# Altium PCB top_LM_v3.PcbDoc (part 4 of 6)
Units mil, origin at the board's own origin, x right, y up, seen from the top; angles counter-clockwise.
Board outline 10500 x 5830 mil, 2 copper layers (Top Layer, Bottom Layer); 771 components, 701 nets, 1994 pads, 493 vias.
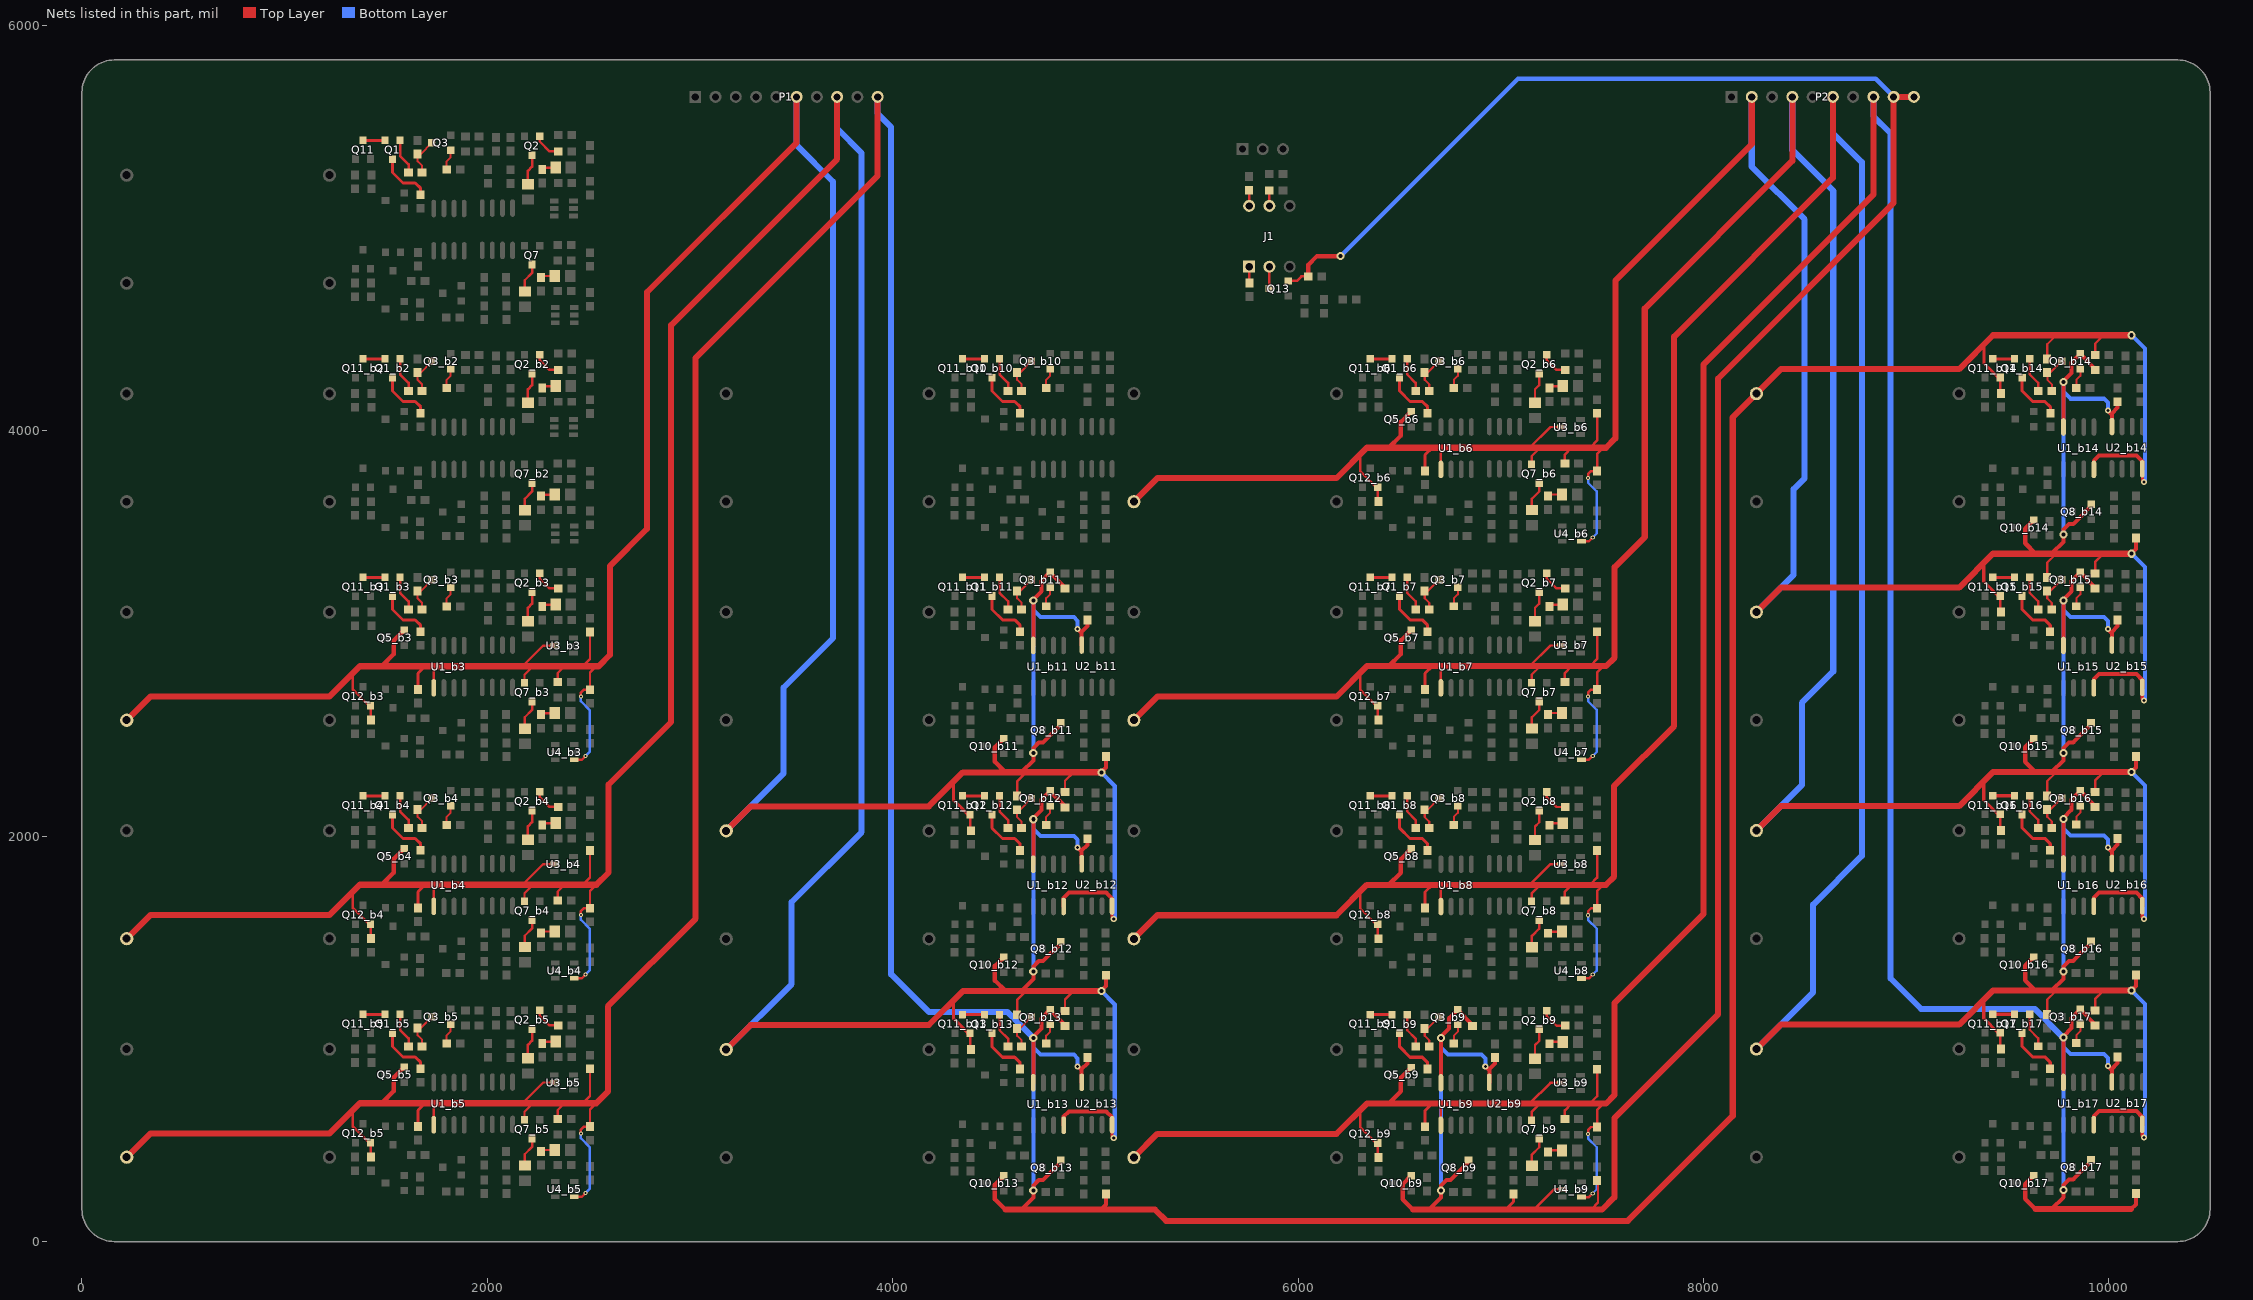
[diagram p4: the nets of this part, all layers, seen from the top]

## Via types
v1: diameter 20, hole 10, Top Layer to Bottom Layer, 402 vias
v2: diameter 40, hole 20, Top Layer to Bottom Layer, 53 vias
v3: diameter 30, hole 15, Top Layer to Bottom Layer, 34 vias
v4: diameter 125.98, hole 125.98, Top Layer to Bottom Layer, 4 vias

## Nets (pads, with @x,y where several pads share a name; then routed paths per layer and width w, separated by ;. In a path a pad name is that pad's centre, name@x,y a point inside that pad or via, vN(x,y) a via of type N, cw(c..) or ccw(c..) an arc to the next point about the centre after c; other vN are vias at no path point) (continued)
IN_A11: P1.6 Q3_b11.2 Q5_b3.2 Q7_b3.2 Q8_b11.2 Q10_b11.2 Q11_b12.2 Q12_b3.2 R1_b12.2 R6_b12.2 R9_b12.2 R12_b11.1 R13_b3.1 R14_b3.2 R19_b3.2 R20_b3.2 R21_b3.2 R40_b12.1 R42_b3.1 R44_b11.2 R48_b11.2 U1_b3.5 U1_b11.4 U1_b12.8 U2_b11.4 U2_b12.8 U3_b3.2 U4_b3.4 | length 17908.8
  Top Layer w12: 1336.82,2803.04 1336.82,2723.26 1416.08,2644 Q12_b3.2@1424.23,2644 1424.23,2575.32 R42_b3.1@1426.82,2572.72 ; U1_b3.5@1735.82,2731.77 1735.82,2816.54 1757.82,2838.54 ; 2170,2838.54 2173.86,2838.54 2276,2940.68 U3_b3.2@2330.76,2940.68 ; Q7_b3.2@2183.6,2756.94 2183.6,2796.44 2225.69,2838.54 ; 2205,2838.54 2209.86,2838.54 ; R20_b3.2@2347.54,2761.68 2347.54,2805.07 2381,2838.54 ; U4_b3.4@2429.24,2377.28 2466.6,2377.28 v1(2485,2395.68) ; v1(2462,2688.68) 2462,2708.68 2476.32,2723 R21_b3.2@2506.69,2723 2506.69,2807.54 2525.76,2826.6 ; 2473,2838.54 2473,2840.68 2506.69,2874.37 R13_b3.1@2506.69,3008.07 ; Q11_b12.2@4382.23,2106.32 4382.23,2031.64 R40_b12.1@4386.82,2027.05 ; R6_b12.2@4613.69,2197.79 4613.69,2270.11 4658.44,2314.86 ; R9_b12.2@4850.36,2217.58 4850.36,2273.39 4891.82,2314.86
  Top Layer w15: R19_b3.2@1657.69,2724 1657.69,2803.54 1692.69,2838.54 1696.69,2838.54 ; 4300.82,2264.11 4300.82,2178.14 Q11_b12.2@4372.64,2106.32 ; U2_b12.8@5082.82,1655.37 5082.82,1598.58 v3(5090.82,1590.58)
  Top Layer w20: Q11_b12.2@4372.64,2106.32 Q11_b12.2@4382.23,2106.32 ; 4637.69,2318.39 4693.82,2374.53 v2(4693.82,2410.58) 4693.82,2435.58 4720.82,2462.58 4742.27,2462.58 4830.08,2550.4 Q8_b11.2@4830.08,2559.98 ; 4657.69,2314.86 4658.62,2315.79 ; U1_b11.4@4693.82,2941.07 v2(4693.82,3162.58) 4693.82,3168.58 4733.82,3208.58 4733.82,3259.72 Q3_b11.2@4777.08,3302.98 4777.08,3300.23 4850.36,3226.96 R12_b11.1@4850.36,3221.58 ; U1_b12.8@4843.82,1653.09 4843.82,1695.58 4869.82,1721.58 5053.82,1721.58 5082.82,1692.58 U2_b12.8@5082.82,1655.37 ; v3(4912.82,3022.58) 4926.82,3008.58 4932.82,3008.58 ; U2_b11.4@4932.82,2943.34 4932.82,3008.58 ; R48_b11.2@4960.82,3066.12 4960.82,3036.58 4932.82,3008.58 ; v2@5027.82,2315.79 5051.82,2339.79 R44_b11.2@5051.82,2393.12
  Top Layer w22: 1478.69,2838.54 1538.69,2898.54 1538.69,2965.68 Q5_b3.2@1589.95,3016.94 ; Q10_b11.2@4547.95,2482.26 4504.69,2439 4504.69,2366.86 4555.76,2315.79
  Top Layer w30: R14_b3.2@220.82,2572.26 337.1,2688.54 1220.82,2688.54 1370.82,2838.54 1478.69,2838.54 1692.69,2838.54 ; 1696.69,2838.54 1757.82,2838.54 2170,2838.54 ; 2173.86,2838.54 2205,2838.54 ; 2209.86,2838.54 2225.69,2838.54 2381,2838.54 2473,2838.54 2549.36,2838.54 2605,2894.18 2605,3333 2788,3516 2788,4684 3526,5422 P1.6@3526,5648 ; R1_b12.2@3178.82,2026.58 3299.85,2147.61 4178.82,2147.61 4346.08,2314.86 4657.69,2314.86 4658.44,2314.86 4891.82,2314.86 v2(5029.69,2314.86) ; 4555.76,2315.79 4658.62,2315.79 v2@5027.82,2315.79
  Bottom Layer w12: v1(2462,2688.68) 2462,2665.68 2505,2622.68 2505,2415.68 v1(2485,2395.68)
  Bottom Layer w20: v2(4693.82,2410.58) 4693.82,3115.58 ; v2(4693.82,3162.58) 4693.82,3115.58 ; v3(4912.82,3022.58) 4912.82,3061.58 4893.82,3080.58 4728.82,3080.58 4693.82,3115.58 ; v2(5029.69,2314.86) 5095.82,2248.72 5095.82,1595.58 v3(5090.82,1590.58)
  Bottom Layer w30: R1_b12.2@3178.82,2026.58 3462.32,2310.08 3462.32,2733.82 3705.69,2977.19 3705.69,5229.19 3525.82,5409.06 P1.6@3525.82,5648.32
IN_A12: P1.8 Q3_b12.2 Q5_b4.2 Q7_b4.2 Q8_b12.2 Q10_b12.2 Q11_b13.2 Q12_b4.2 R1_b13.2 R6_b13.2 R9_b13.2 R12_b12.1 R13_b4.1 R14_b4.2 R19_b4.2 R20_b4.2 R21_b4.2 R40_b13.1 R42_b4.1 R44_b12.2 R48_b12.2 U1_b4.5 U1_b12.4 U1_b13.8 U2_b12.4 U2_b13.8 U3_b4.2 U4_b4.4 | length 20176.8
  Top Layer w12: 1336.82,1725.04 1336.82,1645.26 1416.08,1566 Q12_b4.2@1424.23,1566 1424.23,1497.32 R42_b4.1@1426.82,1494.72 ; U1_b4.5@1735.82,1653.77 1735.82,1738.54 1757.82,1760.54 ; 2170,1760.54 2173.86,1760.54 2276,1862.68 U3_b4.2@2330.76,1862.68 ; Q7_b4.2@2183.6,1678.94 2183.6,1718.44 2225.69,1760.54 ; 2205,1760.54 2209.86,1760.54 ; R20_b4.2@2347.54,1683.68 2347.54,1727.07 2381,1760.54 ; U4_b4.4@2429.24,1299.28 2466.6,1299.28 v1(2485,1317.68) ; v1(2462,1610.68) 2462,1630.68 2476.32,1645 R21_b4.2@2506.69,1645 2506.69,1729.54 2525.76,1748.6 ; 2473,1760.54 2473,1762.68 2506.69,1796.37 R13_b4.1@2506.69,1930.07 ; Q11_b13.2@4382.23,1027.32 4382.23,952.64 R40_b13.1@4386.82,948.05 ; R6_b13.2@4613.69,1118.79 4613.69,1191.11 4658.44,1235.86 ; R9_b13.2@4850.36,1138.58 4850.36,1194.39 4891.82,1235.86
  Top Layer w15: R19_b4.2@1657.69,1646 1657.69,1725.54 1692.69,1760.54 1696.69,1760.54 ; 4300.82,1185.11 4300.82,1099.14 Q11_b13.2@4372.64,1027.32 ; U2_b13.8@5082.82,576.37 5082.82,519.58 v3(5090.82,511.58)
  Top Layer w20: Q11_b13.2@4372.64,1027.32 Q11_b13.2@4382.23,1027.32 ; 4637.69,1239.39 4693.82,1295.53 v2(4693.82,1331.58) 4693.82,1356.58 4720.82,1383.58 4742.27,1383.58 4830.08,1471.4 Q8_b12.2@4830.08,1480.98 ; 4657.69,1235.86 4658.62,1236.79 ; U1_b12.4@4693.82,1862.07 v2(4693.82,2083.58) 4693.82,2089.58 4733.82,2129.58 4733.82,2180.72 Q3_b12.2@4777.08,2223.98 4777.08,2221.23 4850.36,2147.96 R12_b12.1@4850.36,2142.58 ; U1_b13.8@4843.82,574.09 4843.82,616.58 4869.82,642.58 5053.82,642.58 5082.82,613.58 U2_b13.8@5082.82,576.37 ; v3(4912.82,1943.58) 4926.82,1929.58 4932.82,1929.58 ; U2_b12.4@4932.82,1864.34 4932.82,1929.58 ; R48_b12.2@4960.82,1987.12 4960.82,1957.58 4932.82,1929.58 ; v2@5027.82,1236.79 5051.82,1260.79 R44_b12.2@5051.82,1314.12
  Top Layer w22: 1478.69,1760.54 1538.69,1820.54 1538.69,1887.68 Q5_b4.2@1589.95,1938.94 ; Q10_b12.2@4547.95,1403.26 4504.69,1360 4504.69,1287.86 4555.76,1236.79
  Top Layer w30: R14_b4.2@220.82,1494.26 337.1,1610.54 1220.82,1610.54 1370.82,1760.54 1478.69,1760.54 1692.69,1760.54 ; 1696.69,1760.54 1757.82,1760.54 2170,1760.54 ; 2173.86,1760.54 2205,1760.54 ; 2209.86,1760.54 2225.69,1760.54 2381,1760.54 2473,1760.54 2538.37,1760.54 2597.82,1819.99 2597.82,2254.32 2907,2563.5 2907,4521.97 3725.82,5340.79 P1.8@3725.82,5648.32 ; R1_b13.2@3178.82,947.58 3299.85,1068.61 4178.82,1068.61 4346.08,1235.86 4657.69,1235.86 4658.44,1235.86 4891.82,1235.86 v2(5029.69,1235.86) ; 4555.76,1236.79 4658.62,1236.79 v2@5027.82,1236.79
  Bottom Layer w12: v1(2462,1610.68) 2462,1587.68 2505,1544.68 2505,1337.68 v1(2485,1317.68)
  Bottom Layer w20: v2(4693.82,1331.58) 4693.82,2036.58 ; v2(4693.82,2083.58) 4693.82,2036.58 ; v3(4912.82,1943.58) 4912.82,1982.58 4893.82,2001.58 4728.82,2001.58 4693.82,2036.58 ; v2(5029.69,1235.86) 5095.82,1169.72 5095.82,516.58 v3(5090.82,511.58)
  Bottom Layer w30: R1_b13.2@3178.82,947.58 3501.82,1270.58 3501.82,1675.32 3847.11,2020.61 3847.11,5370.61 3725.82,5491.9 P1.8@3725.82,5648.32
IN_A13: P1.10 Q3_b13.2 Q5_b5.2 Q7_b5.2 Q8_b13.2 Q10_b13.2 Q11_b14.2 Q12_b5.2 R1_b14.2 R6_b14.2 R9_b14.2 R12_b13.1 R13_b5.1 R14_b5.2 R19_b5.2 R20_b5.2 R21_b5.2 R40_b14.1 R42_b5.1 R44_b13.2 R48_b13.2 U1_b5.5 U1_b13.4 U1_b14.8 U2_b13.4 U2_b14.8 U3_b5.2 U4_b5.4 | length 28463.8
  Top Layer w12: 1336.82,647.04 1336.82,567.26 1416.08,488 Q12_b5.2@1424.23,488 1424.23,419.32 R42_b5.1@1426.82,416.72 ; U1_b5.5@1735.82,575.77 1735.82,660.54 1757.82,682.54 ; 2170,682.54 2173.86,682.54 2276,784.68 U3_b5.2@2330.76,784.68 ; Q7_b5.2@2183.6,600.94 2183.6,640.44 2225.69,682.54 ; 2205,682.54 2209.86,682.54 ; R20_b5.2@2347.54,605.68 2347.54,649.07 2381,682.54 ; U4_b5.4@2429.24,221.28 2466.6,221.28 v1(2485,239.68) ; v1(2462,532.68) 2462,552.68 2476.32,567 R21_b5.2@2506.69,567 2506.69,651.54 2525.76,670.6 ; 2473,682.54 2473,684.68 2506.69,718.37 R13_b5.1@2506.69,852.07 ; Q11_b14.2@9465.23,4263.32 9465.23,4188.64 R40_b14.1@9469.82,4184.05 ; R6_b14.2@9696.69,4354.79 9696.69,4427.11 9741.44,4471.86 ; R9_b14.2@9933.36,4374.58 9933.36,4430.39 9974.82,4471.86
  Top Layer w15: R19_b5.2@1657.69,568 1657.69,647.54 1692.69,682.54 1696.69,682.54 ; 9383.82,4421.11 9383.82,4335.14 Q11_b14.2@9455.64,4263.32 ; U2_b14.8@10165.82,3812.37 10165.82,3755.58 v3(10173.82,3747.58)
  Top Layer w20: 4637.69,160.39 4693.82,216.53 v2(4693.82,252.58) 4693.82,277.58 4720.82,304.58 4742.27,304.58 4830.08,392.4 Q8_b13.2@4830.08,401.98 ; 4657.69,156.86 4658.62,157.79 ; U1_b13.4@4693.82,783.07 v2(4693.82,1004.58) 4693.82,1010.58 4733.82,1050.58 4733.82,1101.72 Q3_b13.2@4777.08,1144.98 4777.08,1142.23 4850.36,1068.96 R12_b13.1@4850.36,1063.58 ; v3(4912.82,864.58) 4926.82,850.58 4932.82,850.58 ; U2_b13.4@4932.82,785.34 4932.82,850.58 ; R48_b13.2@4960.82,908.12 4960.82,878.58 4932.82,850.58 ; 5027.82,157.79 5051.82,181.79 R44_b13.2@5051.82,235.12 ; Q11_b14.2@9455.64,4263.32 Q11_b14.2@9465.23,4263.32 ; U1_b14.8@9926.82,3810.09 9926.82,3852.58 9952.82,3878.58 10136.82,3878.58 10165.82,3849.58 U2_b14.8@10165.82,3812.37
  Top Layer w22: 1478.69,682.54 1538.69,742.54 1538.69,809.68 Q5_b5.2@1589.95,860.94 ; Q10_b13.2@4547.95,324.26 4504.69,281 4504.69,208.86 4555.76,157.79
  Top Layer w30: R14_b5.2@220.82,416.26 337.1,532.54 1220.82,532.54 1370.82,682.54 1478.69,682.54 1692.69,682.54 ; 1696.69,682.54 1757.82,682.54 2170,682.54 ; 2173.86,682.54 2205,682.54 ; 2209.86,682.54 2225.69,682.54 2381,682.54 2473,682.54 2537.37,682.54 2594.82,739.99 2594.82,1160.32 3028,1593.5 3028,4360.13 3925.82,5257.95 P1.10@3925.82,5648.32 ; 4555.76,157.79 4658.62,157.79 5027.82,157.79 5294.36,157.79 5349.82,102.32 7626.82,102.32 8145,620.5 8145,4066.76 R1_b14.2@8261.82,4183.58 8382.85,4304.61 9261.82,4304.61 9429.08,4471.86 9741.44,4471.86 9974.82,4471.86 v2(10112.69,4471.86)
  Bottom Layer w12: v1(2462,532.68) 2462,509.68 2505,466.68 2505,259.68 v1(2485,239.68)
  Bottom Layer w20: v2(4693.82,252.58) 4693.82,957.58 ; v2(4693.82,1004.58) 4693.82,957.58 ; v3(4912.82,864.58) 4912.82,903.58 4893.82,922.58 4728.82,922.58 4693.82,957.58 ; v2(10112.69,4471.86) 10178.82,4405.72 10178.82,3752.58 v3(10173.82,3747.58)
  Bottom Layer w30: P1.10@3925.82,5648.32 3925.82,5565.32 3992.82,5498.32 3992.82,1319 4178.82,1133 4565.4,1133 v2(4693.82,1004.58)
IN_A14: P2.2 Q3_b14.2 Q5_b6.2 Q7_b6.2 Q8_b14.2 Q10_b14.2 Q11_b15.2 Q12_b6.2 R1_b15.2 R6_b15.2 R9_b15.2 R12_b14.1 R13_b6.1 R14_b6.2 R19_b6.2 R20_b6.2 R21_b6.2 R40_b15.1 R42_b6.1 R44_b14.2 R48_b14.2 U1_b6.5 U1_b14.4 U1_b15.8 U2_b14.4 U2_b15.8 U3_b6.2 U4_b6.4 | length 15559.8
  Top Layer w12: 6306.08,3881.36 6306.08,3801.58 6385.34,3722.32 Q12_b6.2@6393.48,3722.32 6393.48,3653.64 R42_b6.1@6396.08,3651.05 ; U1_b6.5@6705.08,3810.09 6705.08,3894.86 6727.08,3916.86 ; 7139.25,3916.86 7143.11,3916.86 7245.25,4019 U3_b6.2@7300.01,4019 ; Q7_b6.2@7152.85,3835.26 7152.85,3874.76 7194.94,3916.86 ; 7174.25,3916.86 7179.11,3916.86 ; R20_b6.2@7316.79,3840 7316.79,3883.39 7350.25,3916.86 ; U4_b6.4@7398.5,3455.6 7435.85,3455.6 v1(7454.25,3474) ; v1(7431.25,3767) 7431.25,3787 7445.57,3801.32 R21_b6.2@7475.94,3801.32 7475.94,3885.86 7495.01,3904.92 ; 7442.25,3916.86 7442.25,3919 7475.94,3952.69 R13_b6.1@7475.94,4086.39 ; Q11_b15.2@9464.97,3185.32 9464.97,3110.64 R40_b15.1@9469.57,3106.05 ; R6_b15.2@9696.44,3276.79 9696.44,3349.11 9741.12,3393.79 9741.19,3393.86 ; R9_b15.2@9933.11,3296.58 9933.11,3352.39 9974.5,3393.79 9974.57,3393.86
  Top Layer w15: R19_b6.2@6626.94,3802.32 6626.94,3881.86 6661.94,3916.86 6665.94,3916.86 ; 9383.57,3343.11 9383.57,3257.14 Q11_b15.2@9455.39,3185.32 ; U2_b15.8@10165.57,2734.37 10165.57,2677.58 v3(10173.57,2669.58)
  Top Layer w20: Q11_b15.2@9455.39,3185.32 Q11_b15.2@9464.97,3185.32 ; 9720.69,3396.39 9776.82,3452.53 v2(9776.82,3488.58) 9776.82,3513.58 9803.82,3540.58 9825.27,3540.58 9913.08,3628.4 Q8_b14.2@9913.08,3637.98 ; 9740.69,3392.86 9741.62,3393.79 ; U1_b14.4@9776.82,4019.07 v2(9776.82,4240.58) 9776.82,4246.58 9816.82,4286.58 9816.82,4337.72 Q3_b14.2@9860.08,4380.98 9860.08,4378.23 9933.36,4304.96 R12_b14.1@9933.36,4299.58 ; U1_b15.8@9926.57,2732.09 9926.57,2774.58 9952.57,2800.58 10136.57,2800.58 10165.57,2771.58 U2_b15.8@10165.57,2734.37 ; v3(9995.82,4100.58) 10009.82,4086.58 10015.82,4086.58 ; U2_b14.4@10015.82,4021.34 10015.82,4086.58 ; R48_b14.2@10043.82,4144.12 10043.82,4114.58 10015.82,4086.58 ; v2@10110.82,3393.79 10110.89,3393.86 10134.82,3417.79 R44_b14.2@10134.82,3471.12
  Top Layer w22: 6447.94,3916.86 6507.94,3976.86 6507.94,4044 Q5_b6.2@6559.2,4095.26 ; Q10_b14.2@9630.95,3560.26 9587.69,3517 9587.69,3444.86 9638.69,3393.86 9638.76,3393.79
  Top Layer w30: R14_b6.2@5190.08,3650.58 5306.35,3766.86 6190.08,3766.86 6340.08,3916.86 6447.94,3916.86 6661.94,3916.86 ; 6665.94,3916.86 6727.08,3916.86 7139.25,3916.86 ; 7143.11,3916.86 7174.25,3916.86 ; 7179.11,3916.86 7194.94,3916.86 7350.25,3916.86 7442.25,3916.86 7519.61,3916.86 7566,3963.25 7566,4741.58 8239,5414.58 P2.2@8239,5648 ; R1_b15.2@8261.57,3105.58 8382.6,3226.61 9261.57,3226.61 9428.82,3393.86 9638.69,3393.86 9741.19,3393.86 9974.57,3393.86 10110.89,3393.86 v2(10112.44,3393.86) ; 9638.76,3393.79 9741.12,3393.79 9741.62,3393.79 9974.5,3393.79 v2@10110.82,3393.79
  Bottom Layer w12: v1(7431.25,3767) 7431.25,3744 7474.25,3701 7474.25,3494 v1(7454.25,3474)
  Bottom Layer w20: v2(9776.82,3488.58) 9776.82,4193.58 ; v2(9776.82,4240.58) 9776.82,4193.58 ; v3(9995.82,4100.58) 9995.82,4139.58 9976.82,4158.58 9811.82,4158.58 9776.82,4193.58 ; v2(10112.44,3393.86) 10178.57,3327.72 10178.57,2674.58 v3(10173.57,2669.58)
  Bottom Layer w30: P2.2@8238.82,5648.32 8238.82,5303.79 8499.56,5043.06 8499.56,3766.32 8445.82,3712.59 8445.82,3289.83 R1_b15.2@8261.57,3105.58
IN_A15: P2.4 Q3_b15.2 Q5_b7.2 Q7_b7.2 Q8_b15.2 Q10_b15.2 Q11_b16.2 Q12_b7.2 R1_b16.2 R6_b16.2 R9_b16.2 R12_b15.1 R13_b7.1 R14_b7.2 R19_b7.2 R20_b7.2 R21_b7.2 R40_b16.1 R42_b7.1 R44_b15.2 R48_b15.2 U1_b7.5 U1_b15.4 U1_b16.8 U2_b15.4 U2_b16.8 U3_b7.2 U4_b7.4 | length 17832.9
  Top Layer w12: 6306.08,2803.36 6306.08,2723.58 6385.34,2644.32 Q12_b7.2@6393.48,2644.32 6393.48,2575.64 R42_b7.1@6396.08,2573.05 ; U1_b7.5@6705.08,2732.09 6705.08,2816.86 6727.08,2838.86 ; 7139.25,2838.86 7143.11,2838.86 7245.25,2941 U3_b7.2@7300.01,2941 ; Q7_b7.2@7152.85,2757.26 7152.85,2796.76 7194.94,2838.86 ; 7174.25,2838.86 7179.11,2838.86 ; R20_b7.2@7316.79,2762 7316.79,2805.39 7350.25,2838.86 ; U4_b7.4@7398.5,2377.6 7435.85,2377.6 v1(7454.25,2396) ; v1(7431.25,2689) 7431.25,2709 7445.57,2723.32 R21_b7.2@7475.94,2723.32 7475.94,2807.86 7495.01,2826.92 ; 7442.25,2838.86 7442.25,2841 7475.94,2874.69 R13_b7.1@7475.94,3008.39 ; Q11_b16.2@9464.97,2107.32 9464.97,2032.64 R40_b16.1@9469.57,2028.05 ; R6_b16.2@9696.44,2198.79 9696.44,2271.11 9741.12,2315.79 9741.19,2315.86 ; R9_b16.2@9933.11,2218.58 9933.11,2274.39 9974.5,2315.79 9974.57,2315.86
  Top Layer w15: R19_b7.2@6626.94,2724.32 6626.94,2803.86 6661.94,2838.86 6665.94,2838.86 ; 9383.57,2265.11 9383.57,2179.14 Q11_b16.2@9455.39,2107.32 ; U2_b16.8@10165.57,1656.37 10165.57,1599.58 v3(10173.57,1591.58)
  Top Layer w20: Q11_b16.2@9455.39,2107.32 Q11_b16.2@9464.97,2107.32 ; 9720.44,2318.39 9776.57,2374.53 v2(9776.57,2410.58) 9776.57,2435.58 9803.57,2462.58 9825.01,2462.58 9912.83,2550.4 Q8_b15.2@9912.83,2559.98 ; 9740.44,2314.86 9741.37,2315.79 ; U1_b15.4@9776.57,2941.07 v2(9776.57,3162.58) 9776.57,3168.58 9816.57,3208.58 9816.57,3259.72 Q3_b15.2@9859.83,3302.98 9859.83,3300.23 9933.11,3226.96 R12_b15.1@9933.11,3221.58 ; U1_b16.8@9926.57,1654.09 9926.57,1696.58 9952.57,1722.58 10136.57,1722.58 10165.57,1693.58 U2_b16.8@10165.57,1656.37 ; v3(9995.57,3022.58) 10009.57,3008.58 10015.57,3008.58 ; U2_b15.4@10015.57,2943.34 10015.57,3008.58 ; R48_b15.2@10043.57,3066.12 10043.57,3036.58 10015.57,3008.58 ; v2@10110.57,2315.79 10110.64,2315.86 10134.57,2339.79 R44_b15.2@10134.57,2393.12
  Top Layer w22: 6447.94,2838.86 6507.94,2898.86 6507.94,2966 Q5_b7.2@6559.2,3017.26 ; Q10_b15.2@9630.7,2482.26 9587.44,2439 9587.44,2366.86 9638.44,2315.86 9638.51,2315.79
  Top Layer w30: R14_b7.2@5190.08,2572.58 5306.35,2688.86 6190.08,2688.86 6340.08,2838.86 6447.94,2838.86 6661.94,2838.86 ; 6665.94,2838.86 6727.08,2838.86 7139.25,2838.86 ; 7143.11,2838.86 7174.25,2838.86 ; 7179.11,2838.86 7194.94,2838.86 7350.25,2838.86 7442.25,2838.86 7519.61,2838.86 7562,2881.25 7562,3327 7710.75,3475.75 7710.75,4603.49 8439,5331.74 P2.4@8439,5648 ; R1_b16.2@8261.57,2027.58 8382.6,2148.61 9261.57,2148.61 9428.82,2315.86 9638.44,2315.86 9741.19,2315.86 9974.57,2315.86 10110.64,2315.86 v2(10112.44,2315.86) ; 9638.51,2315.79 9741.12,2315.79 9741.37,2315.79 9974.5,2315.79 v2@10110.57,2315.79
  Bottom Layer w12: v1(7431.25,2689) 7431.25,2666 7474.25,2623 7474.25,2416 v1(7454.25,2396)
  Bottom Layer w20: v2(9776.57,2410.58) 9776.57,3115.58 ; v2(9776.57,3162.58) 9776.57,3115.58 ; v3(9995.57,3022.58) 9995.57,3061.58 9976.57,3080.58 9811.57,3080.58 9776.57,3115.58 ; v2(10112.44,2315.86) 10178.57,2249.72 10178.57,1596.58 v3(10173.57,1591.58)
  Bottom Layer w30: R1_b16.2@8261.57,2027.58 8485.82,2251.83 8485.82,2658.16 8640.98,2813.32 8640.98,5184.48 8438.82,5386.64 P2.4@8438.82,5648.32
IN_A16: P2.6 Q3_b16.2 Q5_b8.2 Q7_b8.2 Q8_b16.2 Q10_b16.2 Q11_b17.2 Q12_b8.2 R1_b17.2 R6_b17.2 R9_b17.2 R12_b16.1 R13_b8.1 R14_b8.2 R19_b8.2 R20_b8.2 R21_b8.2 R40_b17.1 R42_b8.1 R44_b16.2 R48_b16.2 U1_b8.5 U1_b16.4 U1_b17.8 U2_b16.4 U2_b17.8 U3_b8.2 U4_b8.4 | length 20107.1
  Top Layer w12: 6306.08,1724.36 6306.08,1644.58 6385.34,1565.32 Q12_b8.2@6393.48,1565.32 6393.48,1496.64 R42_b8.1@6396.08,1494.05 ; U1_b8.5@6705.08,1653.09 6705.08,1737.86 6727.08,1759.86 ; 7139.25,1759.86 7143.11,1759.86 7245.25,1862 U3_b8.2@7300.01,1862 ; Q7_b8.2@7152.85,1678.26 7152.85,1717.76 7194.94,1759.86 ; 7174.25,1759.86 7179.11,1759.86 ; R20_b8.2@7316.79,1683 7316.79,1726.39 7350.25,1759.86 ; U4_b8.4@7398.5,1298.6 7435.85,1298.6 v1(7454.25,1317) ; v1(7431.25,1610) 7431.25,1630 7445.57,1644.32 R21_b8.2@7475.94,1644.32 7475.94,1728.86 7495.01,1747.92 ; 7442.25,1759.86 7442.25,1762 7475.94,1795.69 R13_b8.1@7475.94,1929.39 ; Q11_b17.2@9464.97,1029.32 9464.97,954.64 R40_b17.1@9469.57,950.05 ; R6_b17.2@9696.44,1120.79 9696.44,1193.11 9741.12,1237.79 9741.19,1237.86 ; R9_b17.2@9933.11,1140.58 9933.11,1196.39 9974.5,1237.79 9974.57,1237.86
  Top Layer w15: R19_b8.2@6626.94,1645.32 6626.94,1724.86 6661.94,1759.86 6665.94,1759.86 ; 9383.57,1187.11 9383.57,1101.14 Q11_b17.2@9455.39,1029.32 ; U2_b17.8@10165.57,578.37 10165.57,521.58 v3(10173.57,513.58)
  Top Layer w20: Q11_b17.2@9455.39,1029.32 Q11_b17.2@9464.97,1029.32 ; 9720.44,1240.39 9776.57,1296.53 v2(9776.57,1332.58) 9776.57,1357.58 9803.57,1384.58 9825.01,1384.58 9912.83,1472.4 Q8_b16.2@9912.83,1481.98 ; 9740.44,1236.86 9741.37,1237.79 ; U1_b16.4@9776.57,1863.07 v2(9776.57,2084.58) 9776.57,2090.58 9816.57,2130.58 9816.57,2181.72 Q3_b16.2@9859.83,2224.98 9859.83,2222.23 9933.11,2148.96 R12_b16.1@9933.11,2143.58 ; U1_b17.8@9926.57,576.09 9926.57,618.58 9952.57,644.58 10136.57,644.58 10165.57,615.58 U2_b17.8@10165.57,578.37 ; v3(9995.57,1944.58) 10009.57,1930.58 10015.57,1930.58 ; U2_b16.4@10015.57,1865.34 10015.57,1930.58 ; R48_b16.2@10043.57,1988.12 10043.57,1958.58 10015.57,1930.58 ; v2@10110.57,1237.79 10110.64,1237.86 10134.57,1261.79 R44_b16.2@10134.57,1315.12
  Top Layer w22: 6447.94,1759.86 6507.94,1819.86 6507.94,1887 Q5_b8.2@6559.2,1938.26 ; Q10_b16.2@9630.7,1404.26 9587.44,1361 9587.44,1288.86 9638.44,1237.86 9638.51,1237.79
  Top Layer w30: R14_b8.2@5190.08,1493.58 5306.35,1609.86 6190.08,1609.86 6340.08,1759.86 6447.94,1759.86 6661.94,1759.86 ; 6665.94,1759.86 6727.08,1759.86 7139.25,1759.86 ; 7143.11,1759.86 7174.25,1759.86 ; 7179.11,1759.86 7194.94,1759.86 7350.25,1759.86 7442.25,1759.86 7519.61,1759.86 7560,1800.25 7560,2248 7855.5,2543.5 7855.5,4465.39 8639,5248.89 P2.6@8639,5648 ; R1_b17.2@8261.57,949.58 8382.6,1070.61 9261.57,1070.61 9428.82,1237.86 9638.44,1237.86 9741.19,1237.86 9974.57,1237.86 10110.64,1237.86 v2(10112.44,1237.86) ; 9638.51,1237.79 9741.12,1237.79 9741.37,1237.79 9974.5,1237.79 v2@10110.57,1237.79